# KiCad board ControlBoard.kicad_pcb
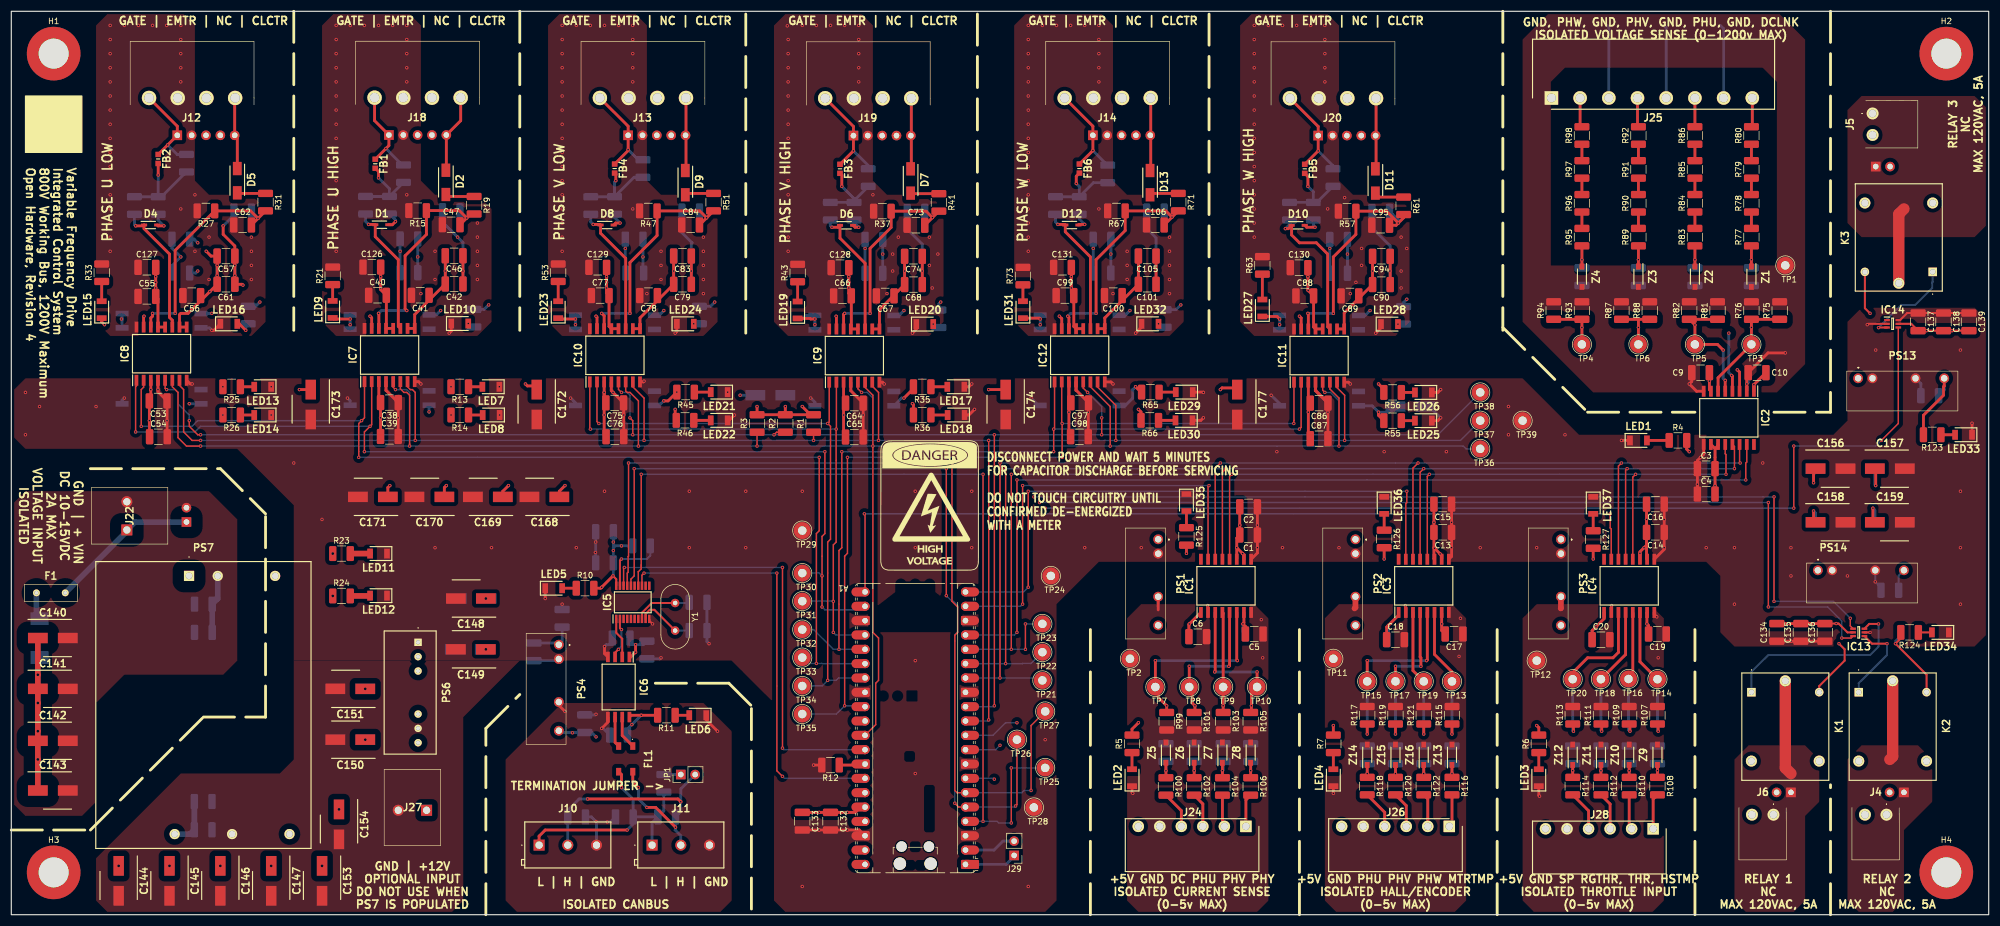
[diagram p0: board, top side]
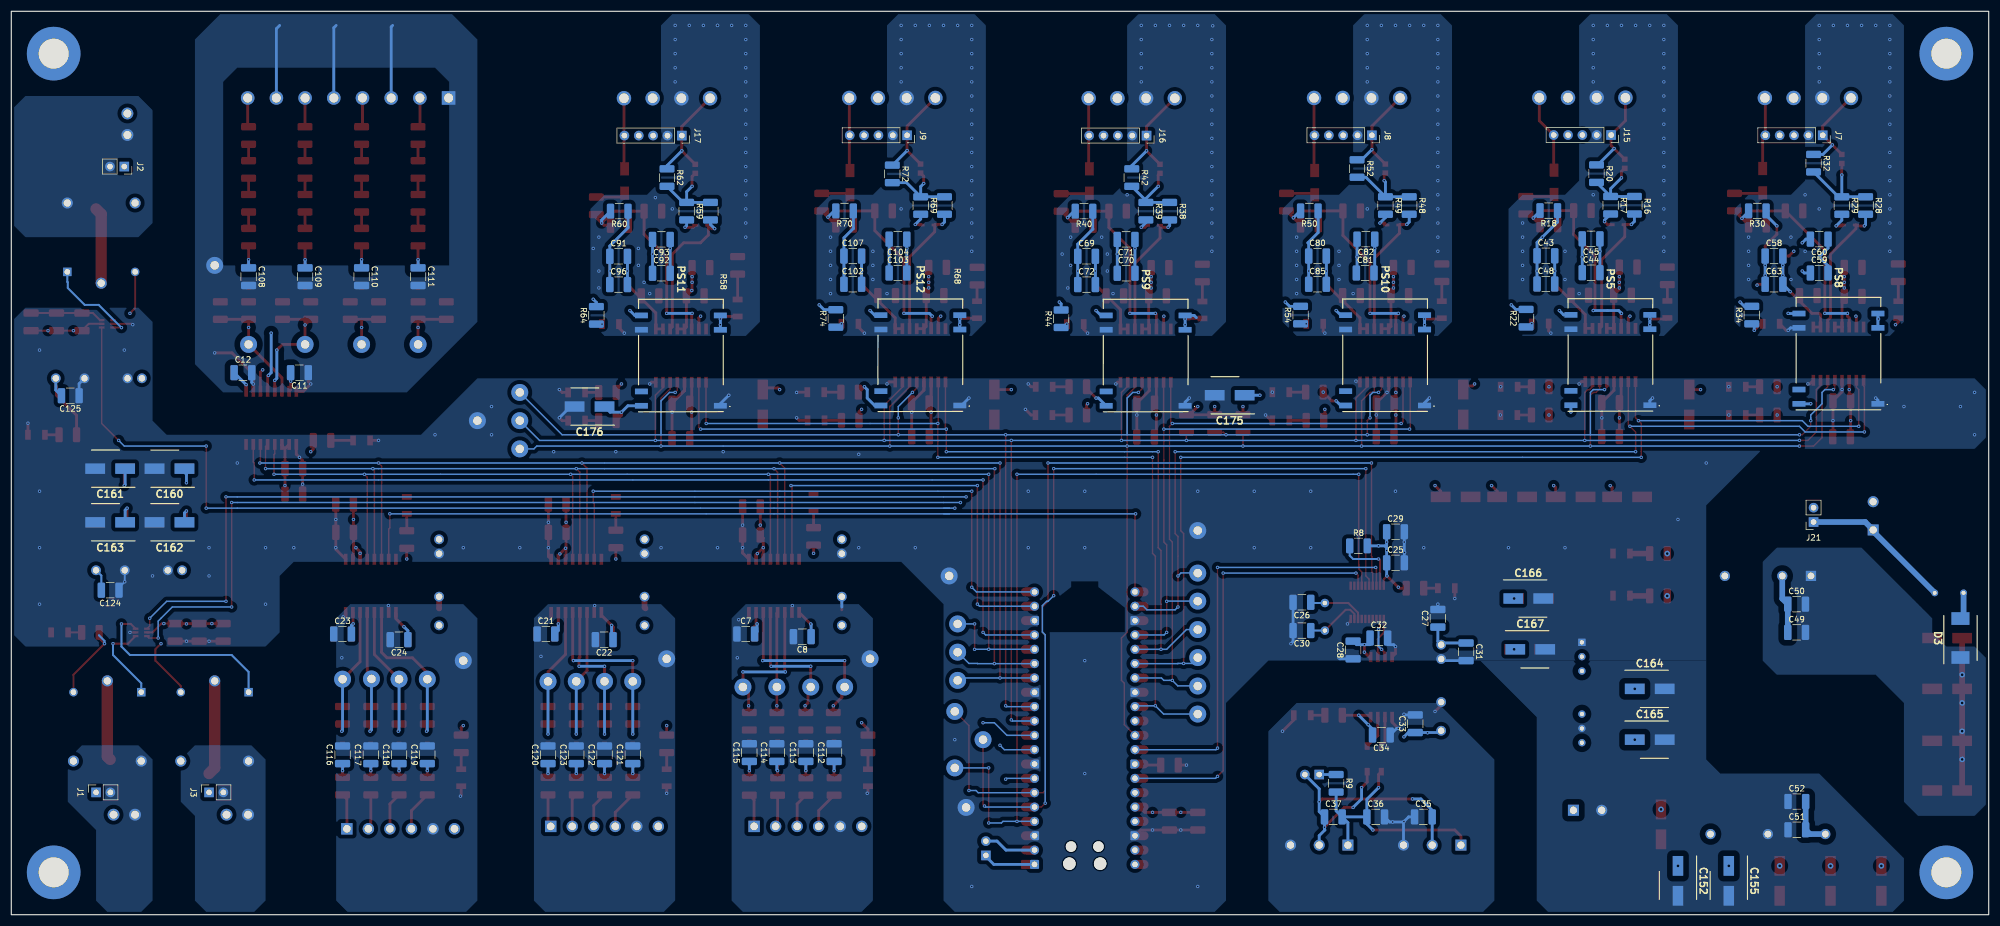
[diagram p1: board, bottom side, seen from below]

Outline 350 x 160 mm; copper layers: Top, In1.Cu, In2.Cu, In3.Cu, In4.Cu, Bottom. Coordinates in mm from the lower left corner of the outline.
Outline path: rectangle 0,160 350,0
Stack: Top 0.035mm / dielectric 0.1mm FR4 er 4.5 / In1.Cu 0.035mm / dielectric 0.535mm FR4 er 4.5 / In2.Cu 0.035mm / dielectric 0.1mm FR4 er 4.5 / In3.Cu 0.035mm / dielectric 0.535mm FR4 er 4.5 / In4.Cu 0.035mm / dielectric 0.1mm FR4 er 4.5 / Bottom 0.035mm

## Placement (name value [footprint] x y rotation side)
A1  RaspberryPi_Pico  [RaspberryPi_Pico_Common_Unspecified]  160 33.04 180 top
C1  100nF  [C_1210_3225Metric_Pad1.33x2.70mm_HandSolder]  219 67.25 180 top
C2  1uF  [C_1210_3225Metric_Pad1.33x2.70mm_HandSolder]  219 72.25 180 top
C3  100nF  [C_1210_3225Metric_Pad1.33x2.70mm_HandSolder]  300 79 0 top
C4  1uF  [C_1210_3225Metric_Pad1.33x2.70mm_HandSolder]  300 74.5 0 top
C5  100nF  [C_1210_3225Metric_Pad1.33x2.70mm_HandSolder]  220 49.71 180 top
C6  100nF  [C_1210_3225Metric_Pad1.33x2.70mm_HandSolder]  210 49.25 0 top
C7  1uF  [C_1210_3225Metric_Pad1.33x2.70mm_HandSolder]  220 49.71 180 bottom
C8  1uF  [C_1210_3225Metric_Pad1.33x2.70mm_HandSolder]  210 49.25 0 bottom
C9  100nF  [C_1210_3225Metric_Pad1.33x2.70mm_HandSolder]  299 96 0 top
C10  100nF  [C_1210_3225Metric_Pad1.33x2.70mm_HandSolder]  309 96 180 top
C11  1uF  [C_1210_3225Metric_Pad1.33x2.70mm_HandSolder]  299 96 0 bottom
C12  1uF  [C_1210_3225Metric_Pad1.33x2.70mm_HandSolder]  309 96 180 bottom
C13  100nF  [C_1210_3225Metric_Pad1.33x2.70mm_HandSolder]  253.37 67.71 180 top
C14  100nF  [C_1210_3225Metric_Pad1.33x2.70mm_HandSolder]  291 67.71 180 top
C15  1uF  [C_1210_3225Metric_Pad1.33x2.70mm_HandSolder]  253.37 72.71 180 top
C16  1uF  [C_1210_3225Metric_Pad1.33x2.70mm_HandSolder]  291 72.71 180 top
C17  100nF  [C_1210_3225Metric_Pad1.33x2.70mm_HandSolder]  255.37 49.71 180 top
C18  100nF  [C_1210_3225Metric_Pad1.33x2.70mm_HandSolder]  245 48.71 0 top
C19  100nF  [C_1210_3225Metric_Pad1.33x2.70mm_HandSolder]  291.37 49.71 180 top
C20  100nF  [C_1210_3225Metric_Pad1.33x2.70mm_HandSolder]  281.37 48.71 0 top
C21  1uF  [C_1210_3225Metric_Pad1.33x2.70mm_HandSolder]  255.37 49.71 180 bottom
C22  1uF  [C_1210_3225Metric_Pad1.33x2.70mm_HandSolder]  245.06 48.71 0 bottom
C23  1uF  [C_1210_3225Metric_Pad1.33x2.70mm_HandSolder]  291.37 49.71 180 bottom
C24  1uF  [C_1210_3225Metric_Pad1.33x2.70mm_HandSolder]  281.37 48.71 0 bottom
C25  100nF  [C_1210_3225Metric_Pad1.33x2.70mm_HandSolder]  105 62.33 180 bottom
C26  22pF  [C_1210_3225Metric_Pad1.33x2.70mm_HandSolder]  121.56 55.33 0 bottom
C27  10uF  [C_1210_3225Metric_Pad1.33x2.70mm_HandSolder]  97.5 52.5 90 bottom
C28  10uF  [C_1210_3225Metric_Pad1.33x2.70mm_HandSolder]  112.5 46.89 90 bottom
C29  10uF  [C_1210_3225Metric_Pad1.33x2.70mm_HandSolder]  105 67.83 180 bottom
C30  22pF  [C_1210_3225Metric_Pad1.33x2.70mm_HandSolder]  121.56 50.33 0 bottom
C31  100nF  [C_1210_3225Metric_Pad1.33x2.70mm_HandSolder]  92.5 46.56 270 bottom
C32  100nF  [C_1210_3225Metric_Pad1.33x2.70mm_HandSolder]  107.94 49 180 bottom
C33  10uF  [C_1210_3225Metric_Pad1.33x2.70mm_HandSolder]  101.5 33.82 90 bottom
C34  100nF  [C_1210_3225Metric_Pad1.33x2.70mm_HandSolder]  107.5 31.82 0 bottom
C35  22pF  [C_1210_3225Metric_Pad1.33x2.70mm_HandSolder]  100.06 17.32 180 bottom  (not fitted)
C36  22pF  [C_1210_3225Metric_Pad1.33x2.70mm_HandSolder]  108.5 17.32 180 bottom  (not fitted)
C37  22pF  [C_1210_3225Metric_Pad1.33x2.70mm_HandSolder]  116 17.32 180 bottom  (not fitted)
C38  100nF  [C_1210_3225Metric_Pad1.33x2.70mm_HandSolder]  66.92 90.7 180 top
C39  10uF  [C_1210_3225Metric_Pad1.33x2.70mm_HandSolder]  66.92 84.7 0 top
C40  100nF  [C_1210_3225Metric_Pad1.33x2.70mm_HandSolder]  64.82 109.7 0 top
C41  100nF  [C_1210_3225Metric_Pad1.33x2.70mm_HandSolder]  72.38 109.7 180 top
C42  10uF  [C_1210_3225Metric_Pad1.33x2.70mm_HandSolder]  78.38 111.7 180 top
C43  10uF  [C_1210_3225Metric_Pad1.33x2.70mm_HandSolder]  78.38 116.7 180 bottom  (not fitted)
C44  100nF  [C_1210_3225Metric_Pad1.33x2.70mm_HandSolder]  70.38 113.7 180 bottom
C45  10uF  [C_1210_3225Metric_Pad1.33x2.70mm_HandSolder]  70.38 119.7 0 bottom
C46  10uF  [C_1210_3225Metric_Pad1.33x2.70mm_HandSolder]  78.38 116.7 180 top  (not fitted)
C47  100nF  [C_1210_3225Metric_Pad1.33x2.70mm_HandSolder]  77.86 122.2 0 top
C48  10uF  [C_1210_3225Metric_Pad1.33x2.70mm_HandSolder]  78.38 111.7 180 bottom  (not fitted)
C49  1uF  [C_1210_3225Metric_Pad1.33x2.70mm_HandSolder]  34 50 180 bottom
C50  100nF  [C_1210_3225Metric_Pad1.33x2.70mm_HandSolder]  34 55 180 bottom
C51  1uF  [C_1210_3225Metric_Pad1.33x2.70mm_HandSolder]  33.96 15.04 180 bottom
C52  100nF  [C_1210_3225Metric_Pad1.33x2.70mm_HandSolder]  33.96 20.04 180 bottom
C53  100nF  [C_1210_3225Metric_Pad1.33x2.70mm_HandSolder]  26 91 180 top
C54  10uF  [C_1210_3225Metric_Pad1.33x2.70mm_HandSolder]  26.04 84.65 0 top
C55  100nF  [C_1210_3225Metric_Pad1.33x2.70mm_HandSolder]  24 109.5 0 top
C56  100nF  [C_1210_3225Metric_Pad1.33x2.70mm_HandSolder]  31.94 109.65 180 top
C57  10uF  [C_1210_3225Metric_Pad1.33x2.70mm_HandSolder]  38 116.65 180 top
C58  10uF  [C_1210_3225Metric_Pad1.33x2.70mm_HandSolder]  38 116.65 180 bottom  (not fitted)
C59  100nF  [C_1210_3225Metric_Pad1.33x2.70mm_HandSolder]  30 113.65 180 bottom
C60  10uF  [C_1210_3225Metric_Pad1.33x2.70mm_HandSolder]  30 119.65 0 bottom
C61  10uF  [C_1210_3225Metric_Pad1.33x2.70mm_HandSolder]  38 111.65 180 top  (not fitted)
C62  100nF  [C_1210_3225Metric_Pad1.33x2.70mm_HandSolder]  40.94 122.15 0 top
C63  10uF  [C_1210_3225Metric_Pad1.33x2.70mm_HandSolder]  38 111.65 180 bottom  (not fitted)
C64  100nF  [C_1210_3225Metric_Pad1.33x2.70mm_HandSolder]  149.22 90.6 180 top
C65  10uF  [C_1210_3225Metric_Pad1.33x2.70mm_HandSolder]  149.22 84.6 0 top
C66  100nF  [C_1210_3225Metric_Pad1.33x2.70mm_HandSolder]  147.12 109.6 0 top
C67  100nF  [C_1210_3225Metric_Pad1.33x2.70mm_HandSolder]  154.68 109.6 180 top
C68  10uF  [C_1210_3225Metric_Pad1.33x2.70mm_HandSolder]  159.68 111.6 180 top
C69  10uF  [C_1210_3225Metric_Pad1.33x2.70mm_HandSolder]  159.68 116.6 180 bottom  (not fitted)
C70  100nF  [C_1210_3225Metric_Pad1.33x2.70mm_HandSolder]  152.68 113.6 180 bottom
C71  10uF  [C_1210_3225Metric_Pad1.33x2.70mm_HandSolder]  152.68 119.6 0 bottom
C72  10uF  [C_1210_3225Metric_Pad1.33x2.70mm_HandSolder]  159.68 111.6 180 bottom  (not fitted)
C73  100nF  [C_1210_3225Metric_Pad1.33x2.70mm_HandSolder]  160.12 122.1 0 top
C74  10uF  [C_1210_3225Metric_Pad1.33x2.70mm_HandSolder]  159.68 116.6 180 top  (not fitted)
C75  100nF  [C_1210_3225Metric_Pad1.33x2.70mm_HandSolder]  106.8 90.65 180 top
C76  10uF  [C_1210_3225Metric_Pad1.33x2.70mm_HandSolder]  106.84 84.65 0 top
C77  100nF  [C_1210_3225Metric_Pad1.33x2.70mm_HandSolder]  104.24 109.65 0 top
C78  100nF  [C_1210_3225Metric_Pad1.33x2.70mm_HandSolder]  112.8 109.65 180 top
C79  10uF  [C_1210_3225Metric_Pad1.33x2.70mm_HandSolder]  118.8 111.65 180 top
C80  10uF  [C_1210_3225Metric_Pad1.33x2.70mm_HandSolder]  118.8 116.65 180 bottom  (not fitted)
C81  100nF  [C_1210_3225Metric_Pad1.33x2.70mm_HandSolder]  110.36 113.65 180 bottom
C82  10uF  [C_1210_3225Metric_Pad1.33x2.70mm_HandSolder]  110.24 119.65 0 bottom
C83  10uF  [C_1210_3225Metric_Pad1.33x2.70mm_HandSolder]  118.8 116.65 180 top  (not fitted)
C84  100nF  [C_1210_3225Metric_Pad1.33x2.70mm_HandSolder]  120.24 122.15 0 top
C85  10uF  [C_1210_3225Metric_Pad1.33x2.70mm_HandSolder]  118.8 111.65 180 bottom  (not fitted)
C86  100nF  [C_1210_3225Metric_Pad1.33x2.70mm_HandSolder]  231.48 90.6 180 top
C87  10uF  [C_1210_3225Metric_Pad1.33x2.70mm_HandSolder]  231.48 84.31 0 top
C88  100nF  [C_1210_3225Metric_Pad1.33x2.70mm_HandSolder]  228.94 109.6 0 top
C89  100nF  [C_1210_3225Metric_Pad1.33x2.70mm_HandSolder]  236.94 109.6 180 top
C90  10uF  [C_1210_3225Metric_Pad1.33x2.70mm_HandSolder]  242.5 111.6 180 top
C91  10uF  [C_1210_3225Metric_Pad1.33x2.70mm_HandSolder]  242.5 116.6 180 bottom  (not fitted)
C92  100nF  [C_1210_3225Metric_Pad1.33x2.70mm_HandSolder]  234.94 113.6 180 bottom
C93  10uF  [C_1210_3225Metric_Pad1.33x2.70mm_HandSolder]  234.94 119.6 0 bottom
C94  10uF  [C_1210_3225Metric_Pad1.33x2.70mm_HandSolder]  242.5 116.6 180 top  (not fitted)
C95  100nF  [C_1210_3225Metric_Pad1.33x2.70mm_HandSolder]  242.38 122.1 0 top
C96  10uF  [C_1210_3225Metric_Pad1.33x2.70mm_HandSolder]  242.5 111.6 180 bottom  (not fitted)
C97  100nF  [C_1210_3225Metric_Pad1.33x2.70mm_HandSolder]  189.1 90.65 180 top
C98  10uF  [C_1210_3225Metric_Pad1.33x2.70mm_HandSolder]  189.06 84.65 0 top
C99  100nF  [C_1210_3225Metric_Pad1.33x2.70mm_HandSolder]  186.5 109.65 0 top
C100  100nF  [C_1210_3225Metric_Pad1.33x2.70mm_HandSolder]  195.06 109.65 180 top
C101  10uF  [C_1210_3225Metric_Pad1.33x2.70mm_HandSolder]  201.06 111.65 180 top
C102  10uF  [C_1210_3225Metric_Pad1.33x2.70mm_HandSolder]  201.06 111.65 180 bottom  (not fitted)
C103  100nF  [C_1210_3225Metric_Pad1.33x2.70mm_HandSolder]  193.06 113.65 180 bottom
C104  10uF  [C_1210_3225Metric_Pad1.33x2.70mm_HandSolder]  193.06 119.65 0 bottom
C105  10uF  [C_1210_3225Metric_Pad1.33x2.70mm_HandSolder]  201.06 116.65 180 top  (not fitted)
C106  100nF  [C_1210_3225Metric_Pad1.33x2.70mm_HandSolder]  202.5 122.15 0 top
C107  10uF  [C_1210_3225Metric_Pad1.33x2.70mm_HandSolder]  201.06 116.65 180 bottom  (not fitted)
C108  10nF  [C_1210_3225Metric_Pad1.33x2.70mm_HandSolder]  308 113 270 bottom
C109  10nF  [C_1210_3225Metric_Pad1.33x2.70mm_HandSolder]  298 113 270 bottom
C110  10nF  [C_1210_3225Metric_Pad1.33x2.70mm_HandSolder]  288 113 270 bottom
C111  10nF  [C_1210_3225Metric_Pad1.33x2.70mm_HandSolder]  278 113 270 bottom
C112  10nF  [C_1210_3225Metric_Pad1.33x2.70mm_HandSolder]  204.37 28.71 90 bottom
C113  10nF  [C_1210_3225Metric_Pad1.33x2.70mm_HandSolder]  209.37 28.71 90 bottom
C114  10nF  [C_1210_3225Metric_Pad1.33x2.70mm_HandSolder]  214.5 28.71 90 bottom
C115  10nF  [C_1210_3225Metric_Pad1.33x2.70mm_HandSolder]  219.37 28.71 90 bottom
C116  10nF  [C_1210_3225Metric_Pad1.33x2.70mm_HandSolder]  291.37 28.32 90 bottom
C117  10nF  [C_1210_3225Metric_Pad1.33x2.70mm_HandSolder]  286.37 28.32 90 bottom
C118  10nF  [C_1210_3225Metric_Pad1.33x2.70mm_HandSolder]  281.37 28.32 90 bottom
C119  10nF  [C_1210_3225Metric_Pad1.33x2.70mm_HandSolder]  276.37 28.32 90 bottom
C120  10nF  [C_1210_3225Metric_Pad1.33x2.70mm_HandSolder]  255 28.32 90 bottom
C121  10nF  [C_1210_3225Metric_Pad1.33x2.70mm_HandSolder]  240 28.32 90 bottom
C122  10nF  [C_1210_3225Metric_Pad1.33x2.70mm_HandSolder]  245 28.32 90 bottom
C123  10nF  [C_1210_3225Metric_Pad1.33x2.70mm_HandSolder]  250 28.32 90 bottom
C124  10uF  [C_1210_3225Metric_Pad1.33x2.70mm_HandSolder]  332.5 57.47 0 bottom
C125  10uF  [C_1210_3225Metric_Pad1.33x2.70mm_HandSolder]  339.56 91.92 0 bottom
C126  10uF  [C_1210_3225Metric_Pad1.33x2.70mm_HandSolder]  63.82 114.7 0 top
C127  10uF  [C_1210_3225Metric_Pad1.33x2.70mm_HandSolder]  24 114.65 0 top
C128  10uF  [C_1210_3225Metric_Pad1.33x2.70mm_HandSolder]  146.68 114.6 0 top
C129  10uF  [C_1210_3225Metric_Pad1.33x2.70mm_HandSolder]  103.8 114.65 0 top
C130  10uF  [C_1210_3225Metric_Pad1.33x2.70mm_HandSolder]  227.94 114.6 0 top
C131  10uF  [C_1210_3225Metric_Pad1.33x2.70mm_HandSolder]  186.06 114.65 0 top
C132  100nF  [C_1210_3225Metric_Pad1.33x2.70mm_HandSolder]  145 16.56 270 top
C133  10uF  [C_1210_3225Metric_Pad1.33x2.70mm_HandSolder]  140 16.56 270 top
C134  10uF  [C_1210_3225Metric_Pad1.33x2.70mm_HandSolder]  312.5 50 90 top
C135  10uF  [C_1210_3225Metric_Pad1.33x2.70mm_HandSolder]  316.75 50 90 top  (not fitted)
C136  10uF  [C_1210_3225Metric_Pad1.33x2.70mm_HandSolder]  321 50 90 top  (not fitted)
C137  10uF  [C_1210_3225Metric_Pad1.33x2.70mm_HandSolder]  337.5 105 270 top
C138  10uF  [C_1210_3225Metric_Pad1.33x2.70mm_HandSolder]  342 105 270 top  (not fitted)
C139  10uF  [C_1210_3225Metric_Pad1.33x2.70mm_HandSolder]  346.5 105 270 top  (not fitted)
C140  UCM1H101MCL1GS  [CAPAE660X800N]  7.35 49 0 top
C141  UCM1H101MCL1GS  [CAPAE660X800N]  7.35 40 0 top
C142  UCM1H101MCL1GS  [CAPAE660X800N]  7.35 30.8 0 top
C143  UCM1H101MCL1GS  [CAPAE660X800N]  7.35 22 0 top
C144  UCM1H101MCL1GS  [CAPAE660X800N]  19 6 270 top
C145  UCM1H101MCL1GS  [CAPAE660X800N]  28 6 270 top
C146  UCM1H101MCL1GS  [CAPAE660X800N]  37 6 270 top
C147  UCM1H101MCL1GS  [CAPAE660X800N]  46 6 270 top
C148  UCM1H101MCL1GS  [CAPAE660X800N]  81.35 56 180 top
C149  UCM1H101MCL1GS  [CAPAE660X800N]  81.35 47 180 top
C150  UCM1H101MCL1GS  [CAPAE660X800N]  60 31 180 top
C151  UCM1H101MCL1GS  [CAPAE660X800N]  60 40 180 top
C152  UCM1H101MCL1GS  [CAPAE660X800N]  55 6 270 bottom
C153  UCM1H101MCL1GS  [CAPAE660X800N]  55 6 270 top
C154  UCM1H101MCL1GS  [CAPAE660X800N]  58 16 270 top
C155  UCM1H101MCL1GS  [CAPAE660X800N]  46 6 270 bottom
C156  UCM1H101MCL1GS  [CAPAE660X800N]  322 79 0 top
C157  UCM1H101MCL1GS  [CAPAE660X800N]  332.5 79 0 top
C158  UCM1H101MCL1GS  [CAPAE660X800N]  322 69.5 0 top
C159  UCM1H101MCL1GS  [CAPAE660X800N]  332.5 69.5 0 top
C160  UCM1H101MCL1GS  [CAPAE660X800N]  322 79 0 bottom
C161  UCM1H101MCL1GS  [CAPAE660X800N]  332.5 79 0 bottom
C162  UCM1H101MCL1GS  [CAPAE660X800N]  322 69.5 0 bottom
C163  UCM1H101MCL1GS  [CAPAE660X800N]  332.5 69.5 0 bottom
C164  UCM1H101MCL1GS  [CAPAE660X800N]  60 40 180 bottom
C165  UCM1H101MCL1GS  [CAPAE660X800N]  60 31 180 bottom
C166  UCM1H101MCL1GS  [CAPAE660X800N]  81.5 56 180 bottom
C167  UCM1H101MCL1GS  [CAPAE660X800N]  81.15 47 180 bottom
C168  UCM1H101MCL1GS  [CAPAE660X800N]  94.35 74 180 top
C169  UCM1H101MCL1GS  [CAPAE660X800N]  84.35 74 180 top
C170  UCM1H101MCL1GS  [CAPAE660X800N]  74 74 180 top
C171  UCM1H101MCL1GS  [CAPAE660X800N]  64 74 180 top
C172  UCM1H101MCL1GS  [CAPAE660X800N]  93 90.35 270 top
C173  UCM1H101MCL1GS  [CAPAE660X800N]  53 90.35 270 top
C174  UCM1H101MCL1GS  [CAPAE660X800N]  176 90.35 270 top
C175  UCM1H101MCL1GS  [CAPAE660X800N]  134.35 92 0 bottom
C176  UCM1H101MCL1GS  [CAPAE660X800N]  247.65 90 0 bottom
C177  UCM1H101MCL1GS  [CAPAE660X800N]  217 90.35 270 top
D1  BAT54WS-7-F  [SOD2513X120N]  65.58 122.2 0 top
D2  FM2000GP-TP  [DIOM5226X244N]  76.92 129.7 270 top
D3  S3N  [DIOM8059X265N]  5 49 90 bottom
D4  BAT54WS-7-F  [SOD2513X120N]  24.66 122.15 0 top
D5  FM2000GP-TP  [DIOM5226X244N]  40 130 270 top
D6  BAT54WS-7-F  [SOD2513X120N]  147.84 122.1 0 top
D7  FM2000GP-TP  [DIOM5226X244N]  159.18 129.95 270 top
D8  BAT54WS-7-F  [SOD2513X120N]  105.46 122.15 0 top
D9  FM2000GP-TP  [DIOM5226X244N]  119.3 129.65 270 top
D10  BAT54WS-7-F  [SOD2513X120N]  227.78 122.1 0 top
D11  FM2000GP-TP  [DIOM5226X244N]  241.44 129.95 270 top
D12  BAT54WS-7-F  [SOD2513X120N]  187.72 122.15 0 top
D13  FM2000GP-TP  [DIOM5226X244N]  201.56 129.65 270 top
F1  MF-RHT200_32-2  [MFRHT200322]  9.55 57 180 top
FB1  FBMJ1608HS220NTR  [BEADC1608X100N]  64.42 133 270 top  (not fitted)
FB2  FBMJ1608HS220NTR  [BEADC1608X100N]  26 133.85 270 top  (not fitted)
FB3  FBMJ1608HS220NTR  [BEADC1608X100N]  146.68 132.1 270 top  (not fitted)
FB4  FBMJ1608HS220NTR  [BEADC1608X100N]  106.8 132.15 270 top  (not fitted)
FB5  FBMJ1608HS220NTR  [BEADC1608X100N]  228.94 132.1 270 top  (not fitted)
FB6  FBMJ1608HS220NTR  [BEADC1608X100N]  189.06 132.15 270 top  (not fitted)
FL1  ACT45B-101-2P-TL003  [ACT45B1012PTL003]  108.75 27.6 270 top
G***  LOGO  [HIGHVOLTAGE_20mm]  162.5 72.5 0 top
H1  MountingHole_Pad  [MountingHole_5.3mm_M5_ISO7380_Pad]  7.5 152.5 0 top
H2  MountingHole_Pad  [MountingHole_5.3mm_M5_ISO7380_Pad]  342.5 152.5 0 top
H3  MountingHole_Pad  [MountingHole_5.3mm_M5_ISO7380_Pad]  7.5 7.5 0 top
H4  MountingHole_Pad  [MountingHole_5.3mm_M5_ISO7380_Pad]  342.5 7.5 0 top
IC1  MAX22530AWE+  [SOIC127P1032X265-16N]  215 58.25 90 top
IC2  MAX22530AWE+  [SOIC127P1032X265-16N]  304 88 270 top
IC3  MAX22530AWE+  [SOIC127P1032X265-16N]  250 58.25 90 top
IC4  MAX22530AWE+  [SOIC127P1032X265-16N]  286.37 58.25 90 top
IC5  MCP2515-e_ST  [SOP65P640X120-20N]  110 55.33 90 top
IC6  ISO1042BDWVR  [SOIC127P1150X280-8N]  107.5 40.33 270 top
IC7  ADUM4136BRWZ  [SOIC127P1032X265-16N]  66.96 99.12 90 top
IC8  ADUM4136BRWZ  [SOIC127P1032X265-16N]  26.59 99.36 90 top
IC9  ADUM4136BRWZ  [SOIC127P1032X265-16N]  149.22 99.02 90 top
IC10  ADUM4136BRWZ  [SOIC127P1032X265-16N]  106.84 99.07 90 top
IC11  ADUM4136BRWZ  [SOIC127P1032X265-16N]  231.48 99.02 90 top
IC12  ADUM4136BRWZ  [SOIC127P1032X265-16N]  189.1 99.07 90 top
IC13  DRDNB21D-7  [SOT65P210X110-6N]  327 50 180 top
IC14  DRDNB21D-7  [SOT65P210X110-6N]  333 104.65 0 top
J1  Conn_01x02_Socket  [PinSocket_1x02_P2.54mm_Vertical]  335 21.66 90 bottom
J2  Conn_01x02_Socket  [PinSocket_1x02_P2.54mm_Vertical]  330 132.5 270 bottom
J3  Conn_01x02_Socket  [PinSocket_1x02_P2.54mm_Vertical]  315 21.66 90 bottom
J4  TBP02R1-381-02BE  [TBP02R138102BE]  331.9 17.72 180 top
J5  TBP02R1-381-02BE  [TBP02R138102BE]  329.45 141.91 270 top
J6  TBP02R1-381-02BE  [TBP02R138102BE]  311.9 17.72 180 top
J7  Conn_01x05_Socket  [PinSocket_1x05_P2.54mm_Vertical]  29.38 138.04 270 bottom
J8  Conn_01x05_Socket  [PinSocket_1x05_P2.54mm_Vertical]  109.18 138.04 270 bottom
J9  Conn_01x05_Socket  [PinSocket_1x05_P2.54mm_Vertical]  191.44 138.04 270 bottom
J10  -  [1548129]  93.42 12.32 0 top
J11  -  [1548129]  113.42 12.32 0 top
J12  TBP01R1-508-04BE  [TBP01R150804BE]  24.38 144.65 0 top
J13  TBP01R1-508-04BE  [TBP01R150804BE]  104.18 144.65 0 top
J14  TBP01R1-508-04BE  [TBP01R150804BE]  186.44 144.65 0 top
J15  Conn_01x05_Socket  [PinSocket_1x05_P2.54mm_Vertical]  66.84 138.09 270 bottom
J16  Conn_01x05_Socket  [PinSocket_1x05_P2.54mm_Vertical]  149.06 137.99 270 bottom
J17  Conn_01x05_Socket  [PinSocket_1x05_P2.54mm_Vertical]  231.32 137.99 270 bottom
J18  TBP01R1-508-04BE  [TBP01R150804BE]  64.3 144.7 0 top
J19  TBP01R1-508-04BE  [TBP01R150804BE]  144.06 144.6 0 top
J20  TBP01R1-508-04BE  [TBP01R150804BE]  226.32 144.6 0 top
J21  Conn_01x02_Socket  [PinSocket_1x02_P2.54mm_Vertical]  31 69.55 0 bottom
J22  -  [1987724]  20.45 68.14 90 top
J24  TBP02R1-381-06BE  [SHDR6W80P0X381_1X6_2365X920X720P]  218.53 15.64 180 top
J25  TBP01R1-508-08BE  [SHDR8W100P0X508_1X8_4224X1200X890P]  272.6 144.65 0 top
J26  TBP02R1-381-06BE  [SHDR6W80P0X381_1X6_2365X920X720P]  254.52 15.64 180 top
J27  -  [1987724]  73.5 18.5 180 top
J28  TBP02R1-381-06BE  [SHDR6W80P0X381_1X6_2365X920X720P]  290.61 15.21 180 top
J29  Conn_01x02_Pin  [PinHeader_1x02_P2.54mm_Vertical]  177.5 10.5 180 top
JP1  Jumper_2_Open  [PinHeader_1x02_P2.54mm_Vertical]  118.5 24.82 90 top
K1  -  [AWHSH105D00G]  308 39.41 270 top
K2  -  [AWHSH105D00G]  327 39.41 270 top
K3  -  [AWHSH105D00G]  340.08 113.85 90 top
LED1  LTST-C230GKT  [LEDC3216X120N]  288 84 0 top
LED2  LTST-C230CKT  [LEDC3216X120N]  198.37 24.26 90 top
LED3  LTST-C230CKT  [LEDC3216X120N]  270.37 24.26 90 top
LED4  LTST-C230CKT  [LEDC3216X120N]  234 24.26 90 top
LED5  LTST-C230GKT  [LEDC3216X120N]  96 57.83 0 top
LED6  LTST-C230CKT  [LEDC3216X120N]  121.5 35.32 180 top
LED7  LTST-C230GKT  [LEDC3216X120N]  84.88 93.5 180 top
LED8  LTST-C230CKT  [LEDC3216X120N]  84.93 88.5 180 top
LED9  LTST-C230CKT  [LEDC3216X120N]  56.88 107.2 90 top
LED10  LTST-C230GKT  [LEDC3216X120N]  79.38 104.7 0 top
LED11  LTST-C230GKT  [LEDC3216X120N]  65 63.96 180 top
LED12  LTST-C230GKT  [LEDC3216X120N]  65 56.5 180 top
LED13  LTST-C230GKT  [LEDC3216X120N]  44.5 93.5 180 top
LED14  LTST-C230CKT  [LEDC3216X120N]  44.5 88.5 180 top
LED15  LTST-C230CKT  [LEDC3216X120N]  16 107.15 90 top
LED16  LTST-C230GKT  [LEDC3216X120N]  38.5 104.65 0 top
LED17  LTST-C230GKT  [LEDC3216X120N]  167.18 93.5 180 top
LED18  LTST-C230CKT  [LEDC3216X120N]  167.23 88.5 180 top
LED19  LTST-C230CKT  [LEDC3216X120N]  139.18 107.1 90 top
LED20  LTST-C230GKT  [LEDC3216X120N]  161.68 104.6 0 top
LED21  LTST-C230GKT  [LEDC3216X120N]  125.3 92.55 180 top
LED22  LTST-C230CKT  [LEDC3216X120N]  125.3 87.55 180 top
LED23  LTST-C230CKT  [LEDC3216X120N]  96.8 107.15 90 top
LED24  LTST-C230GKT  [LEDC3216X120N]  119.3 104.65 0 top
LED25  LTST-C230GKT  [LEDC3216X120N]  249.94 87.5 180 top
LED26  LTST-C230CKT  [LEDC3216X120N]  249.94 92.5 180 top
LED27  LTST-C230CKT  [LEDC3216X120N]  221.44 107.45 90 top
LED28  LTST-C230GKT  [LEDC3216X120N]  243.94 104.6 0 top
LED29  LTST-C230GKT  [LEDC3216X120N]  207.61 92.55 180 top
LED30  LTST-C230CKT  [LEDC3216X120N]  207.56 87.55 180 top
LED31  LTST-C230CKT  [LEDC3216X120N]  179.06 107.15 90 top
LED32  LTST-C230GKT  [LEDC3216X120N]  201.56 104.65 0 top
LED33  LTST-C230GKT  [LEDC3216X120N]  345.55 85 180 top
LED34  LTST-C230GKT  [LEDC3216X120N]  341.45 50 180 top
LED35  LTST-C230GKT  [LEDC3216X120N]  208 73 270 top
LED36  LTST-C230GKT  [LEDC3216X120N]  243 72.5 270 top
LED37  LTST-C230GKT  [LEDC3216X120N]  280 72.5 270 top
PS1  RKE-1205S_H  [RKE1205SH]  203 66.48 270 top
PS2  RKE-1205S_H  [RKE1205SH]  237.92 66.48 270 top
PS3  RKE-1205S_H  [RKE1205SH]  274.28 66.48 270 top
PS4  RKE-1205S_H  [RKE1205SH]  96.92 47.83 270 top
PS5  MGJ2D121509MPC-R7  [MGJ2D121509MPCR7]  66.96 99.12 90 bottom
PS6  RD7-12S033R  [RD712S033R]  72 48.24 270 top
PS7  NSD15-12S12  [NSD1512S12]  31.46 60 270 top
PS8  MGJ2D121509MPC-R7  [MGJ2D121509MPCR7]  26.59 99.36 90 bottom
PS9  MGJ2D121509MPC-R7  [MGJ2D121509MPCR7]  149.22 99.02 90 bottom
PS10  MGJ2D121509MPC-R7  [MGJ2D121509MPCR7]  106.84 99.07 90 bottom
PS11  MGJ2D121509MPC-R7  [MGJ2D121509MPCR7]  231.48 99.02 90 bottom
PS12  MGJ2D121509MPC-R7  [MGJ2D121509MPCR7]  189.1 99.07 90 bottom
PS13  RKE-1205S_H  [RKE1205SH]  326.89 95 0 top
PS14  RKE-1205S_H  [RKE1205SH]  319.76 61 0 top
R1  4.7k  [R_1210_3225Metric_Pad1.30x2.65mm_HandSolder]  142 87 90 top
R2  4.7k  [R_1210_3225Metric_Pad1.30x2.65mm_HandSolder]  137 87 90 top
R3  4.7k  [R_1210_3225Metric_Pad1.30x2.65mm_HandSolder]  132 87 90 top